# Altium PCB DMP_SEM_MAIN_PCB.PcbDoc (part 2 of 2)
Units mm, origin at the board's own origin, x right, y up, seen from the top; angles counter-clockwise.
Board outline 64.64 x 54.99 mm, 4 copper layers (Top Layer, Layer 1, Layer 2, Bottom Layer), stack 1.544 mm thick; 97 components, 88 nets, 389 pads, 130 vias.
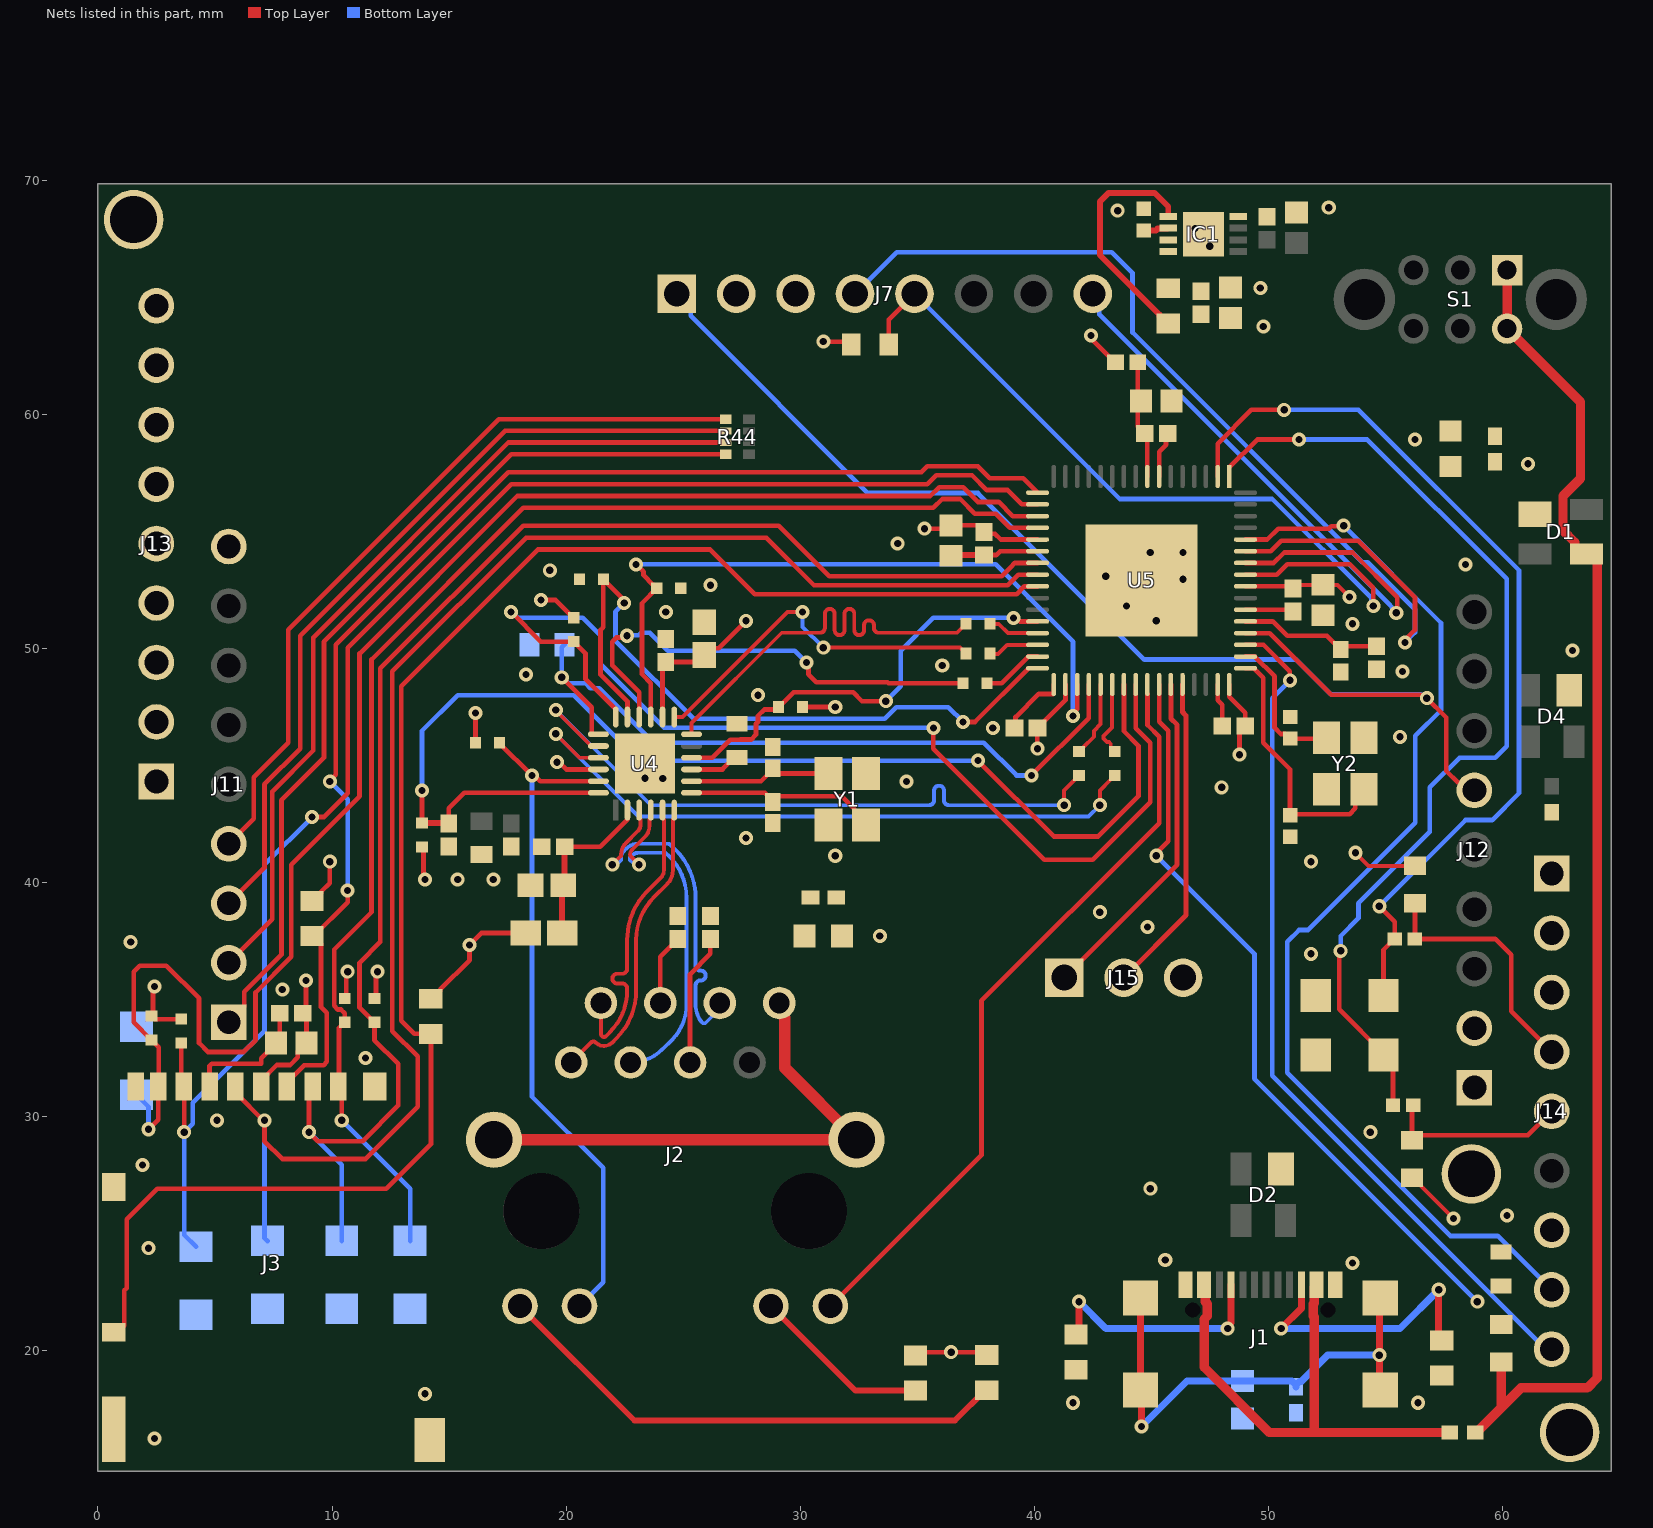
[diagram p4: the nets of this part, all layers, seen from the top]

## Via types
v1: diameter 0.6, hole 0.31, Top Layer to Bottom Layer, 118 vias
v2: diameter 0.6, hole 0.3, Top Layer to Bottom Layer, 11 vias
v3: diameter 1, hole 0.5, Top Layer to Bottom Layer, 1 vias

## Nets (pads, with @x,y where several pads share a name; then routed paths per layer and width w, separated by ;. In a path a pad name is that pad's centre, name@x,y a point inside that pad or via, vN(x,y) a via of type N, cw(c..) or ccw(c..) an arc to the next point about the centre after c; other vN are vias at no path point) (continued)
ETH_GMDIO: R31.2 U4.10 U5.28 | length 19
  Top Layer w0.2: U4.10@25.357,45.335 26.243,45.335 27.009,46.101 27.432,46.101 27.441,46.11 27.902,46.11 28.109,46.317 28.109,46.778 28.194,46.863 28.194,47.117 28.475,47.398 28.979,47.398 R31.2@29.079,47.498 29.079,47.51 29.216,47.648 29.229,47.648 29.714,48.133 32.258,48.133 32.639,47.752 v1(33.655,47.752) ; v1(39.116,51.308) 39.224,51.308 39.375,51.157 U5.28@40.14,51.157
  Bottom Layer w0.2: v1(33.655,47.752) 34.29,48.387 34.29,49.911 35.687,51.308 v1(39.116,51.308)
ETH_GRXDV: R28.2 U4.15 U5.35 | length 32
  Top Layer w0.2: v2(22.987,53.594) 23.309,53.272 23.309,53.129 23.71,52.728 23.734,52.728 23.872,52.59 R28.2@23.872,52.578 23.872,52.566 23.241,51.935 23.241,48.895 23.618,48.518 U4.15@23.618,47.074 ; v1(41.656,47.117) 41.656,47.225 41.831,47.4 U5.35@41.831,48.466
  Bottom Layer w0.2: v2(22.987,53.594) 38.354,53.594 41.656,50.292 v1(41.656,47.117)
ETH_INT: R29.2 U4.18 U5.40 | length 46.4
  Top Layer w0.2: v2(17.653,51.562) 18.923,50.292 R29.2@20.32,50.292 20.828,49.784 20.828,48.689 22.118,47.399 U4.18@22.118,47.074 ; v2(35.687,46.609) 35.687,45.72 40.433,40.974 42.498,40.974 44.958,43.434 44.958,45.974 44.331,46.601 U5.40@44.331,48.466
  Bottom Layer w0.2: v2(17.653,51.562) 17.687,51.562 17.941,51.308 20.701,51.308 21.471,50.538 21.471,49.322 24.184,46.609 v2(35.687,46.609)
ETH_LED: J2.12 U5.41 | length 32.2
  Top Layer w0.2: J2.12@31.29,21.906 37.742,28.359 37.742,34.948 45.339,42.545 45.339,46.228 44.835,46.732 U5.41@44.835,48.072
ETH_RESET: C32.1 R27.1 U4.24 U5.39 | length 51.9
  Top Layer w0.2: R27.1@13.843,42.549 v2(13.843,43.942) ; C32.1@14.986,42.527 14.986,43.18 15.641,43.835 U4.24@21.379,43.835 ; v2(37.592,45.212) 40.832,41.972 42.734,41.972 44.45,43.688 44.45,45.847 43.831,46.466 U5.39@43.831,48.466
  Top Layer w0.254: R27.1@13.843,42.549 13.854,42.538 C32.1@14.975,42.538
  Bottom Layer w0.2: v2(13.843,43.942) 13.843,46.482 15.367,48.006 20.32,48.006 23.114,45.212 v2(37.592,45.212)
ETH_RX0: R26.2 U5.30 | length 2.2
  Top Layer w0.165: R26.2@38.105,49.784 38.126,49.763 38.447,49.763 38.841,50.157 U5.30@40.14,50.157
ETH_RX1: R25.2 U5.29 | length 2.2
  Top Layer w0.165: R25.2@38.105,51.054 38.481,51.054 38.878,50.657 U5.29@40.14,50.657
ETH_RXER: R20.1 U4.17 U5.32 | length 30
  Top Layer w0.2: R20.1@21.59,52.963 R20.1@21.59,52.951 ; v1(22.479,51.943) 22.402,52.02 22.402,52.138 R20.1@21.59,52.951 ; U4.17@22.618,47.074 22.618,47.74 21.471,48.887 21.471,50.79 21.59,50.909 R20.1@21.59,52.951 ; v1(36.957,46.863) 36.959,46.865 37.467,46.865 39.746,49.144 U5.32@39.746,49.153
  Bottom Layer w0.2: v1(22.479,51.943) 22.106,51.57 22.106,50.339 25.447,46.998 33.608,46.998 34.1,47.49 36.33,47.49 v1(36.957,46.863)
ETH_TX0: R24.2 U5.37 | length 3.3
  Top Layer w0.165: R24.2@41.91,45.598 41.922,45.598 42.077,45.752 42.077,45.765 42.545,46.233 42.545,46.482 42.831,46.768 U5.37@42.831,48.466
ETH_TX1: R23.2 U5.38 | length 3.3
  Top Layer w0.165: U5.38@43.331,48.466 43.326,48.461 43.326,48.043 43.318,48.036 43.318,46.621 42.959,46.262 42.959,46.152 43.101,46.01 43.189,46.01 43.267,45.932 43.267,45.752 43.422,45.598 R23.2@43.434,45.598
ETH_TXCK: R32.1 U5.31 | length 2.6
  Top Layer w0.2: R32.1@37.978,48.514 38.606,48.514 39.749,49.657 U5.31@40.14,49.657
ETH_TXEN: R22.1 U4.19 U5.36 | length 31.4
  Top Layer w0.2: v1(19.812,48.768) 21.089,47.491 21.089,46.355 21.108,46.335 U4.19@21.379,46.335 ; v2(39.878,44.577) 42.331,47.03 U5.36@42.331,48.466
  Bottom Layer w0.2: R22.1@19.927,50.169 19.812,50.054 v1(19.812,48.768) 19.846,48.768 20.1,48.514 20.828,48.514 21.036,48.306 21.417,48.306 23.749,45.974 37.846,45.974 39.243,44.577 v2(39.878,44.577)
EVENT: J14.9 U5.51 | length 36.7
  Top Layer w0.2: U5.51@49.022,50.157 49.792,50.157 50.914,49.035 50.914,48.654 v1(50.927,48.641)
  Bottom Layer w0.2: v1(50.927,48.641) 50.165,47.879 50.165,31.75 61.849,20.066 J14.9@62.103,20.066
GND: C1.2 C2.2 C3.2 C8.2 C9.2 C10.2 C11.2 C12.2 C13.2 C14.1 C15.1 C16.1 C17.1 C18.2 C19.2 C24.2 C25.2 C26.2 C27.1 C28.2 C29.1 C30.1 C31.2 C32.2 C33.1 C34.1 C35.1 C36.2 C37.2 C38.1 C39.2 C40.2 D1.1 D2.1 D4.1 D5.2 D6.2 D7.2 D8.2 D9.2 D10.2 D11.2 IC1.4 IC1.9 J1.A1 J1.A12 J3.6 J3.MP1 J3.MP2 J3.MP3 J3.MP5 J3.MP6 J7.3 J11.9 J12.2 J13.1 J13.2 J13.3 J13.4 J13.5 J13.6 J13.7 J13.8 J13.9 J14.2 J14.3 J15.3 LED3.1 pad.14 R1.2 R2.2 R3.2 R20.2 R21.2 R22.2 R28.1 R41.2 R42.2 U4.22 U4.25 U5.7 U5.22 U5.33 U5.47 U5.54 U5.65 Y1.2 Y1.4 Y2.2 Y2.4 | length 21.3
  Top Layer w0.2: J3.6@4.768,31.288 4.768,32.17 4.856,32.258 6.97,32.258 6.97,32.487 7.765,33.282 C35.1@7.765,34.417 ; v1(19.607,45.146) 19.691,45.146 20.003,44.835 U4.22@21.379,44.835 ; C17.1@37.846,53.993 38.372,53.993 38.536,54.157 U5.22@40.14,54.157 ; C14.1@39.152,46.609 39.198,46.655 39.198,47.072 40.187,48.061 40.814,48.061 40.831,48.078 U5.33@40.831,48.466 ; U5.7@45.331,57.348 45.331,58.412 45.629,58.71 45.629,59.109 C11.2@45.702,59.182 C11.2@45.862,59.342 ; U5.47@47.831,48.466 47.831,47.788 48.028,47.591 C15.1@48.028,46.684 C15.1@47.879,46.535 ; U5.54@49.022,51.657 50.977,51.657 C16.1@51.054,51.58 C16.1@51.214,51.42 ; C9.2@52.324,51.42 C9.2@52.466,51.562 ; C12.2@54.499,48.999 C12.2@54.614,49.115 C12.2@54.648,49.149
  Top Layer w0.254: v1@13.97,18.067 v1(13.97,18.161) ; C8.2@36.449,53.96 36.482,53.993 C17.1@37.846,53.993
  other v1: 2.413,16.256 41.656,17.78 56.388,17.78 53.594,23.749 45.593,23.876 2.159,24.384 60.198,25.781 44.958,26.924 1.905,27.94 54.356,29.337 5.08,29.845 11.43,32.512 7.874,35.433 51.816,36.957 1.397,37.465 33.401,37.719 44.831,38.1 42.799,38.735 15.367,40.132 16.891,40.132 51.816,40.894 31.496,41.148 27.686,41.91 48.006,44.069 34.544,44.323 23.374,44.456 24.13,44.45 55.626,46.228 38.227,46.609 28.194,48.006 18.288,48.895 55.734,49.022 36.068,49.276 62.992,49.911 53.594,51.054 45.212,51.181 24.257,51.562 43.942,51.816 26.162,52.705 46.355,52.959 43.053,53.086 19.304,53.34 44.958,54.102 46.355,54.102 34.163,54.483 56.261,58.928 49.784,63.754 47.498,67.183 46.863,67.945 43.561,68.707 52.578,68.834
MCU_RST: J7.1 J12.6 U5.52 | length 53.3
  Top Layer w0.2: U5.52@49.022,50.657 50.054,50.657 52.679,48.032 56.508,48.032 56.661,47.879 v1(56.769,47.879) 57.594,47.053 57.594,44.767 58.08,44.282 58.103,44.282 58.443,43.942 J12.6@58.801,43.942
  Bottom Layer w0.2: J7.1@24.721,65.151 25.321,64.551 25.321,64.214 32.893,56.642 37.592,56.642 44.704,49.53 51.181,49.53 52.671,48.04 56.5,48.04 56.661,47.879 v1(56.769,47.879)
NetC1_1: C1.1 J1.MP1 J1.MP2 J1.MP3 J1.MP4 R1.1 | length 21.1
  Top Layer w0.3: J1.MP1@44.537,22.246 J1.MP3@44.537,18.316 44.577,18.276 v1(44.577,16.764) ; J1.MP4@54.777,18.316 54.737,18.356 v1(54.737,19.812) 54.737,22.206 J1.MP2@54.777,22.246
  Bottom Layer w0.3: v1(44.577,16.764) 46.52,18.707 C1.1@48.895,18.707 51.006,18.707 R1.1@51.181,18.532 ; R1.1@51.181,18.457 R1.1@51.181,18.532 ; v1(54.737,19.812) 52.536,19.812 51.406,18.682 51.331,18.682 R1.1@51.181,18.532
NetC12_1: C12.1 C13.1 U5.53 | length 6.1
  Top Layer w0.2: U5.53@49.022,51.157 50.189,51.157 50.8,50.546 52.501,50.546 C13.1@53.09,49.957 53.229,50.095 C12.1@54.614,50.095
NetC18_1: C18.1 U5.49 Y2.1 | length 11.2
  Top Layer w0.2: U5.49@49.022,49.157 49.026,49.153 49.416,49.153 49.416,49.12 49.784,48.752 49.784,45.974 50.927,44.831 C18.1@50.927,42.878 50.975,42.926 53.467,42.926 53.714,43.173 53.714,43.617 Y2.1@54.082,43.985
NetC19_1: C19.1 U5.50 Y2.3 | length 6.2
  Top Layer w0.2: U5.50@49.022,49.657 49.413,49.657 50.263,48.807 50.263,46.622 50.536,46.349 50.727,46.349 C19.1@50.927,46.149 52.445,46.149 Y2.3@52.481,46.185
NetC28_1: C28.1 C29.2 FB3.1 U4.2 | length 7.3
  Top Layer w0.2: C29.2@19.939,41.529 21.463,41.529 22.61,42.676 22.61,43.088 U4.2@22.618,43.096
  Top Layer w0.254: FB3.1@19.826,37.846 19.826,39.827 C28.1@19.878,39.878 19.939,39.939 C29.2@19.939,41.529
NetC33_2: C33.2 U4.8 Y1.3 | length 6.2
  Top Layer w0.2: U4.8@25.357,44.335 28.325,44.335 28.829,44.839 C33.2@28.829,44.885 29.053,44.661 Y1.3@31.204,44.661
NetC34_2: C34.2 U4.7 Y1.1 | length 8.4
  Top Layer w0.2: U4.7@25.357,43.835 28.493,43.835 28.829,43.499 C34.2@28.829,43.452 29.065,43.688 31.778,43.688 32.304,43.162 32.304,42.961 Y1.1@32.804,42.461
NetC40_1: C40.1 IC1.6 | length 1.1
  Top Layer w0.254: C40.1@44.667,67.867 45.204,67.867 45.271,67.935 45.699,67.935 IC1.6@45.722,67.958
NetF1_1: F1.1 J1.A4 J1.A9 | length 21.7
  Top Layer w0.4: J1.A4@47.257,22.821 47.304,22.774 47.304,22.092 47.392,22.005 47.392,21.487 47.257,21.352 47.257,19.291 50.038,16.51 51.957,16.51 ; J1.A9@52.057,22.821 51.957,22.721 51.957,22.04 51.922,22.005 51.922,21.487 51.957,21.452 51.957,16.51 ; F1.1@57.743,16.51 51.957,16.51
NetF2_1: F2.1 J14.1
NetFB5_1: FB5.1 J14.5 R39.1 | length 8
  Top Layer w0.2: FB5.1@56.182,30.48 56.134,30.432 R39.1@56.134,28.994 56.35,29.21 61.087,29.21 J14.5@62.103,30.226
NetFB6_1: FB6.1 J14.4 R40.1 | length 10.8
  Top Layer w0.2: R40.1@56.261,39.116 FB6.1@56.261,37.592 59.69,37.592 60.371,36.911 60.371,34.498 J14.4@62.103,32.766
NetIC1_5: IC1.5 R45.1 | length 10.2
  Top Layer w0.254: R45.1@45.72,63.893 45.645,63.893 45.347,64.191 45.347,64.266 42.799,66.814 42.799,69.088 43.179,69.468 45.134,69.468 45.722,68.881 IC1.5@45.722,68.458
NetJ1_A5: J1.A5 R3.1 | length 10.2
  Top Layer w0.3: R3.1@41.783,20.689 41.91,20.816 v1(41.91,22.098) ; v1(48.26,20.955) 48.26,21.036 48.407,21.183 J1.A5@48.407,22.821
  Bottom Layer w0.3: v1(41.91,22.098) 43.053,20.955 v1(48.26,20.955)
NetJ1_B5: J1.B5 R2.1 | length 11.9
  Top Layer w0.3: v1(50.546,20.955) 51.407,21.816 J1.B5@51.407,22.821 ; v1(57.277,22.606) 57.277,20.562 R2.1@57.404,20.435
  Bottom Layer w0.3: v1(50.546,20.955) 55.626,20.955 v1(57.277,22.606)
NetJ2_9: J2.9 R18.1 | length 22.5
  Top Layer w0.254: J2.9@18.03,21.906 22.918,17.018 36.604,17.018 37.898,18.312 R18.1@37.973,18.312
NetJ2_11: J2.11 R19.1 | length 7.7
  Top Layer w0.254: J2.11@28.75,21.906 32.356,18.3 R19.1@34.925,18.3
NetJ11_1: J11.1 R44.4 | length 38.4
  Top Layer w0.2: J11.1@5.588,34.036 6.25,34.698 6.25,35.333 7.837,36.92 7.837,43.524 9.652,45.339 9.652,50.292 17.661,58.301 R44.4@26.813,58.301
NetJ11_2: J11.2 R44.3 | length 36.5
  Top Layer w0.2: J11.2@5.588,36.576 7.441,38.429 7.441,43.89 9.194,45.643 9.194,50.469 17.526,58.801 R44.3@26.813,58.801
NetJ11_3: J11.3 R44.2 | length 34.5
  Top Layer w0.2: J11.3@5.588,39.116 7.112,40.64 7.112,44.196 8.636,45.72 8.636,50.546 17.391,59.301 R44.2@26.813,59.301
NetJ11_4: J11.4 R44.1 | length 32.6
  Top Layer w0.2: J11.4@5.588,41.656 6.655,42.723 6.655,44.501 8.128,45.974 8.128,50.8 17.129,59.801 R44.1@26.813,59.801
NetLED3_2: LED3.2 R8.1
NetR21_1: R21.1 U4.9 | length 2.2
  Top Layer w0.2: U4.9@25.357,44.835 26.676,44.835 27.18,45.339 R21.1@27.305,45.339
NetR23_1: R23.1 U4.21 | length 28.7
  Top Layer w0.165: v1(19.558,46.355) 20.578,45.335 U4.21@21.379,45.335 ; v1(42.799,43.307) 42.799,43.937 43.267,44.405 43.267,44.418 43.422,44.572 R23.1@43.434,44.572
  Bottom Layer w0.165: v1(19.558,46.355) 23.089,42.824 42.316,42.824 v1(42.799,43.307)
NetR24_1: R24.1 U4.20 | length 28.7
  Top Layer w0.165: v1(19.558,47.371) 19.558,47.351 21.074,45.835 U4.20@21.379,45.835 ; v1(41.275,43.307) 41.275,43.937 41.743,44.405 41.743,44.418 41.898,44.572 R24.1@41.91,44.572
  Bottom Layer w0.165: v1(19.558,47.371) 23.622,43.307 35.428,43.307 35.51,43.307 ccw(c35.51,43.516) 35.72,43.516 35.72,43.931 cw(c35.929,43.931) 35.929,44.14 cw(c35.929,43.931) 36.139,43.931 36.139,43.516 ccw(c36.348,43.516) 36.348,43.307 39.502,43.307 v1(41.275,43.307)
NetR25_1: R25.1 U4.12 | length 18.5
  Top Layer w0.165: U4.12@25.357,46.335 25.357,46.82 29.21,50.673 30.76,50.673 30.842,50.673 ccw(c30.842,50.882) 31.052,50.882 31.052,51.485 cw(c31.261,51.485) 31.261,51.694 cw(c31.261,51.485) 31.471,51.485 31.471,50.78 ccw(c31.68,50.78) 31.68,50.57 ccw(c31.68,50.78) 31.89,50.78 31.89,51.485 cw(c32.099,51.485) 32.099,51.694 cw(c32.099,51.485) 32.309,51.485 32.309,50.78 ccw(c32.518,50.78) 32.518,50.57 ccw(c32.518,50.78) 32.728,50.78 32.728,50.998 cw(c32.937,50.998) 32.937,51.207 cw(c32.938,50.998) 33.147,50.998 33.147,50.882 ccw(c33.356,50.882) 33.356,50.673 35.805,50.673 36.698,50.673 36.912,50.887 36.925,50.887 37.079,51.042 R25.1@37.079,51.054
NetR26_1: R26.1 U4.13 | length 15.4
  Top Layer w0.165: U4.13@24.618,47.074 24.976,47.074 29.464,51.562 v1(30.099,51.562) ; v1(30.988,50.038) 36.825,50.038 36.912,49.951 36.925,49.951 37.079,49.796 R26.1@37.079,49.784
  Bottom Layer w0.165: v1(30.099,51.562) 30.099,50.927 v1(30.988,50.038)
NetR32_2: R32.2 U4.16 | length 20
  Top Layer w0.2: v2(22.606,50.546) 22.529,50.469 22.148,50.469 21.971,50.292 21.971,49.276 23.118,48.129 U4.16@23.118,47.074 ; v2(30.273,49.395) 30.35,49.318 30.35,48.898 30.688,48.56 33.728,48.56 33.774,48.514 R32.2@36.952,48.514
  Bottom Layer w0.2: v2(22.606,50.546) 22.628,50.568 23.106,50.568 23.211,50.673 23.58,50.673 24.342,49.911 29.757,49.911 v2(30.273,49.395)
PHY_LED0: J2.10 R30.2 U4.23 | length 29.3
  Top Layer w0.2: R30.2@17.145,45.974 17.145,45.962 18.53,44.577 v1(18.542,44.577) 18.65,44.577 18.892,44.335 U4.23@21.379,44.335
  Bottom Layer w0.2: v1(18.542,44.577) 18.542,30.861 21.59,27.813 21.59,22.927 J2.10@20.57,21.906
PW_SCL: D5.1 FB6.2 U5.2 | length 39.5
  Top Layer w0.2: U5.2@47.831,57.348 47.831,58.753 49.276,60.198 v1(50.673,60.198) ; v1(54.737,38.989) 55.404,38.322 FB6.2@55.404,37.592 55.382,37.592 54.917,37.127 D5.1@54.917,35.179
  Bottom Layer w0.2: v1(50.673,60.198) 53.848,60.198 60.706,53.34 60.706,43.815 59.563,42.672 58.42,42.672 v1(54.737,38.989)
PW_SDA: D6.1 FB5.2 U5.1 | length 42.1
  Top Layer w0.2: U5.1@48.335,57.742 49.52,58.928 v1(51.308,58.928) ; v1(53.086,37.084) 53.021,37.019 53.021,34.585 54.917,32.689 D6.1@54.917,32.639 55.324,32.232 FB5.2@55.324,30.48
  Bottom Layer w0.2: v1(51.308,58.928) 54.229,58.928 60.176,52.981 60.176,45.825 59.69,45.339 58.166,45.339 56.896,44.069 56.896,42.164 53.848,39.116 53.848,38.481 53.086,37.719 v1(53.086,37.084)
RCT: C24.1 J2.5 | length 5.6
  Top Layer w0.2: J2.5@25.295,32.316 25.295,36.09 26.162,36.957 C24.1@26.162,37.592
RJ45_GND: C37.1 J2.8 J2.13 J2.16 R41.1 | length 22.7
  Top Layer w0.4: J2.16@32.241,29.016 J2.16@32.405,29.016
  Top Layer w0.5: J2.13@16.915,29.016 J2.16@32.241,29.016 ; J2.8@29.105,34.856 29.275,34.686 29.275,34.298 29.337,34.236 29.337,32.084 J2.16@32.405,29.016
RX_N: J2.6 U4.3 | length 15.5
  Top Layer w0.165: v1(21.971,40.767) 22.312,41.108 ccw(c22.221,41.199) 22.35,41.199 cw(c23.039,41.201) 22.552,41.688 23.062,42.198 ccw(c22.786,42.473) 23.175,42.473 23.176,42.692 23.118,42.75 U4.3@23.118,43.096
  Bottom Layer w0.165: v1(21.971,40.767) 22.054,40.85 22.24,40.85 22.35,40.961 22.35,41.095 cw(c22.675,41.095) 22.445,41.325 22.567,41.446 cw(c23.082,40.93) 23.082,41.66 24.316,41.66 cw(c24.316,41.419) 24.487,41.589 24.675,41.402 cw(c22.609,39.336) 25.457,39.988 cw(c22.609,39.336) 25.53,39.336 25.53,36.636 25.53,36.554 25.53,36.449 ccw(c25.739,36.449) 25.739,36.239 25.752,36.239 cw(c25.752,36.03) 25.961,36.03 cw(c25.752,36.03) 25.752,35.82 25.739,35.82 ccw(c25.739,35.611) 25.53,35.611 25.53,35.109 25.53,34.984 ccw(c25.662,34.985) 25.53,34.976 cw(c25.146,34.948) 25.531,34.948 25.531,34.798 cw(c25.399,34.798) 25.531,34.796 25.53,34.717 ccw(c26.753,34.798) 25.53,34.71 ccw(c26.753,34.798) 25.791,34.038 25.796,34.033 25.835,33.994 25.89,33.994 25.945,33.994 25.984,34.033 ; 25.984,34.033 26.565,34.624 J2.6@26.565,34.856
RX_P: J2.3 U4.4 | length 15.5
  Top Layer w0.165: v1(23.114,40.767) 22.773,41.108 cw(c22.864,41.199) 22.735,41.199 cw(c23.042,41.199) 22.825,41.416 23.369,41.961 ccw(c22.908,42.422) 23.561,42.422 23.561,42.692 23.618,42.75 U4.4@23.618,43.096
  Bottom Layer w0.165: J2.3@22.755,32.316 ccw(c22.755,34.245) 24.118,32.881 24.517,33.28 ccw(c23,34.798) 25.146,34.798 25.146,34.948 25.145,34.949 25.145,37.065 25.145,39.335 ccw(c22.605,39.335) 25.01,40.151 ccw(c22.605,39.335) 24.401,41.131 24.257,41.275 23.084,41.275 ccw(c23.084,40.926) 22.837,41.173 22.738,41.074 ccw(c22.746,41.066) 22.735,41.066 22.735,40.961 22.845,40.85 23.031,40.85 v1(23.114,40.767)
SD_CD: J3.MP4 R33.1 U5.25 | length 70.5
  Top Layer w0.2: J3.MP4@0.7,20.749 0.8,20.749 1.125,21.074 1.125,22.577 1.225,22.677 1.225,25.622 2.527,26.924 12.319,26.924 14.224,28.829 R33.1@14.224,33.54 13.514,33.54 12.954,34.1 12.954,48.387 18.796,54.229 26.162,54.229 28.067,52.324 39.243,52.324 39.572,52.653 40.136,52.653 U5.25@40.14,52.657
SD_CLK: D11.1 J3.5 U5.24 | length 65.8
  Top Layer w0.2: J3.5@5.9,31.249 5.9,30.999 v1@7.083,29.816 ; v1(7.112,29.845) 7.112,28.956 7.874,28.194 11.43,28.194 13.654,30.418 13.654,32.574 12.573,33.655 12.573,49.022 18.288,54.737 28.556,54.737 30.588,52.705 38.862,52.705 39.31,53.153 40.136,53.153 U5.24@40.14,53.157
  Bottom Layer w0.2: v1(7.112,29.845) 7.112,24.818 D11.1@7.239,24.691
SD_CMD: J3.3 R34.1 U5.17 | length 54.8
  Top Layer w0.2: J3.3@8.1,31.499 8.804,32.203 9.636,32.203 9.779,32.346 9.779,34.435 9.525,34.689 9.525,37.394 9.2,37.719 R34.1@9.144,37.719 ; R34.1@9.219,37.719 10.668,39.168 v2(10.668,39.668) ; v1(9.906,44.323) 9.906,44.357 10.16,44.611 10.16,50.165 17.526,57.531 35.179,57.531 35.433,57.785 37.592,57.785 38.1,57.277 39.52,57.277 U5.17@40.14,56.657
  Bottom Layer w0.2: v1(9.906,44.323) 10.668,43.561 v2(10.668,39.668)
SD_DATA0: D7.1 J3.7 R35.1 U5.18 | length 65.9
  Top Layer w0.2: R35.1@3.556,33.143 3.556,31.333 3.683,31.206 v1(3.683,29.337) ; v1(9.144,42.799) 9.652,42.799 10.668,43.815 10.668,50.038 17.653,57.023 35.433,57.023 35.814,57.404 37.338,57.404 37.973,56.769 38.862,56.769 39.47,56.161 40.136,56.161 U5.18@40.14,56.157
  Bottom Layer w0.2: D7.1@4.191,24.437 3.683,24.945 v1(3.683,29.337) 4.046,29.7 4.046,30.589 7.112,33.655 7.112,40.767 v1(9.144,42.799)
SD_DATA1: D8.1 J3.8 R36.1 U5.19 | length 67.6
  Top Layer w0.2: v1(2.159,29.464) 2.568,29.873 J3.8@2.568,31.288 ; J3.8@2.6,31.288 2.6,32.968 2.298,33.27 R36.1@2.286,33.27 1.524,34.032 1.524,36.195 1.778,36.449 2.921,36.449 4.318,35.052 4.318,33.147 4.699,32.766 6.223,32.766 6.731,33.274 6.731,35.306 8.255,36.83 8.255,40.767 11.176,43.688 11.176,49.784 17.907,56.515 35.56,56.515 35.941,56.896 36.957,56.896 37.592,56.261 38.481,56.261 39.085,55.657 U5.19@39.746,55.657
  Bottom Layer w0.2: D8.1@1.651,30.935 2.159,30.427 v1(2.159,29.464)
SD_DATA2: D10.1 J3.1 R37.1 U5.20 | length 58.5
  Top Layer w0.2: v1(10.414,29.845) 10.414,31.135 10.3,31.249 10.3,33.804 10.529,34.032 R37.1@10.541,34.032 10.541,34.417 10.382,34.576 10.25,34.576 10.091,34.736 10.091,37.142 11.684,38.735 11.684,49.53 18.161,56.007 35.687,56.007 36.068,56.388 36.83,56.388 37.461,55.757 38.35,55.757 38.95,55.157 U5.20@39.746,55.157
  Bottom Layer w0.2: v1(10.414,29.845) 13.335,26.924 D10.1@13.335,24.691
SD_DATA3: D9.1 J3.2 R38.1 U5.23 | length 63.2
  Top Layer w0.2: J3.2@9.144,31.193 9.017,31.066 v1(9.017,29.337) 9.398,28.956 11.303,28.956 12.827,30.48 12.827,32.258 11.811,33.274 R38.1@11.811,34.032 11.799,34.032 11.176,34.655 11.176,36.576 12.065,37.465 12.065,49.149 18.161,55.245 29.083,55.245 31.242,53.086 38.608,53.086 39.081,53.559 39.081,53.569 39.168,53.657 U5.23@40.14,53.657
  Bottom Layer w0.2: v1(9.017,29.337) 10.414,27.94 D9.1@10.414,24.691
SWCLK: J7.5 R15.1 U5.57 | length 34.7
  Top Layer w0.2: R15.1@33.782,62.992 33.782,64.052 J7.5@34.881,65.151 ; U5.57@49.022,53.157 50.363,53.157 50.8,53.594 53.486,53.594 54.483,52.597 v1(54.483,51.816)
  Bottom Layer w0.2: J7.5@34.881,65.151 43.644,56.388 50.165,56.388 54.406,52.147 54.406,51.893 v1(54.483,51.816)
SWDIO: J7.8 U5.58 | length 27.1
  Top Layer w0.2: U5.58@49.022,53.657 50.228,53.657 50.673,54.102 53.594,54.102 55.499,52.197 55.499,51.562 v1(55.463,51.526)
  Bottom Layer w0.2: J7.8@42.501,65.151 42.778,64.874 42.778,64.272 55.205,51.846 v1(55.463,51.526)
SWO: J7.4 U5.59 | length 44.6
  Top Layer w0.2: U5.59@49.022,54.157 50.093,54.157 50.546,54.61 53.848,54.61 56.261,52.197 56.261,50.792 55.839,50.37 v1(55.839,50.262)
  Bottom Layer w0.2: J7.4@32.341,65.151 34.119,66.929 43.307,66.929 44.196,66.04 44.196,63.5 54.013,53.683 54.251,53.683 56.261,51.673 56.261,50.684 v1(55.839,50.262)
TCT: C25.1 J2.4 | length 3
  Top Layer w0.2: J2.4@24.025,34.856 24.025,36.832 24.765,37.572 C25.1@24.765,37.592
TX_N: J2.2 U4.5 | length 13
  Top Layer w0.165: J2.2@21.485,34.856 21.485,33.542 ccw(c21.617,33.542) 21.523,33.448 ccw(c21.617,33.542) 21.617,33.409 ccw(c21.617,33.542) 21.711,33.448 21.862,33.599 ccw(c20.066,35.395) 22.606,35.395 22.606,35.478 ccw(c22.396,35.478) 22.396,35.687 22.185,35.687 cw(c22.185,35.897) 21.975,35.897 cw(c22.185,35.897) 22.185,36.106 22.396,36.106 ccw(c22.396,36.316) 22.606,36.316 22.606,37.561 22.665,38.144 cw(c25.528,37.561) 22.683,38.227 cw(c25.528,37.561) 23.462,39.627 24.045,40.211 ccw(c23.73,40.525) 24.175,40.525 24.176,42.692 24.118,42.75 U4.5@24.118,43.096
TX_P: J2.1 U4.6 | length 13
  Top Layer w0.165: J2.1@20.215,32.316 21.069,33.171 cw(c21.162,33.077) 21.162,33.209 cw(c21.162,33.077) 21.256,33.171 ccw(c21.61,33.524) 21.61,33.024 21.618,33.024 ccw(c21.618,33.54) 21.982,33.175 22.135,33.328 ccw(c20.069,35.394) 22.991,35.394 22.991,37.56 cw(c25.531,37.56) 23.735,39.356 24.318,39.939 ccw(c23.732,40.525) 24.56,40.525 24.561,42.692 24.618,42.75 U4.6@24.618,43.096
USB_UART_RX: J15.2 U5.44 | length 13.7
  Top Layer w0.208: J15.2@43.815,35.941 46.482,38.608 46.482,47.136 46.331,47.287 U5.44@46.331,48.466
USB_UART_TX: J15.1 U5.43 | length 14.6
  Top Layer w0.208: J15.1@41.275,35.941 46.101,40.767 46.101,46.736 45.839,46.998 45.839,48.458 U5.43@45.831,48.466
USB_VBUS_SENSE: R42.1 R43.2 U5.42 | length 32.4
  Top Layer w0.2: v1(45.212,41.148) 45.212,41.256 45.72,41.764 45.72,46.482 45.335,46.867 45.335,48.462 U5.42@45.331,48.466
  Bottom Layer w0.2: v1(45.212,41.148) 49.403,36.957 49.403,31.623 v1(58.928,22.098)
VBUS: D1.3 F1.2 R43.1 S1.1 S1.4 | length 57.9
  Top Layer w0.4: F1.2@58.843,16.51 58.888,16.51 60.793,18.415 63.627,18.415 64.05,18.838 64.05,51.435 64.05,53.791 63.8,54.041 D1.3@63.584,54.041 63.334,54.041 63.084,54.291 63.084,54.541 62.584,55.041 62.584,56.515 63.334,57.265 63.334,60.531 S1.4@60.198,63.667 S1.1@60.198,66.167 ; 59.944,17.611 R43.1@59.944,19.52
VCC: C3.1 C8.1 C9.1 C14.2 C15.2 C16.2 C17.2 C26.1 C27.2 C35.2 C36.1 C39.1 FB3.2 FB4.1 IC1.7 IC1.8 J3.4 J7.2 J12.1 J14.7 R8.2 R15.2 R18.2 R19.2 R27.2 R29.1 R30.1 R31.1 R33.2 R34.2 R35.2 R36.2 R37.2 R38.2 R39.2 R40.2 R45.2 U4.14 U5.21 U5.34 U5.48 U5.56 | length 58.5
  Top Layer w0.172: C16.2@51.054,52.56 51.214,52.72 C9.1@52.324,52.72 52.339,52.705 52.959,52.705 v1(53.467,52.197) ; v1(53.721,41.275) 54.28,40.716 R40.2@56.261,40.716 ; R39.2@56.134,27.394 56.209,27.394 56.523,27.08 56.523,27.043 v1(57.912,25.654)
  Top Layer w0.2: v1(2.413,35.56) 2.349,35.496 2.349,34.254 2.436,34.167 R35.2@3.556,34.167 ; J3.4@6.968,31.288 6.968,31.538 7.637,32.207 8.204,32.207 8.54,32.543 8.54,32.782 C36.1@8.905,33.147 8.905,34.257 C35.2@8.745,34.417 8.89,34.562 v1(8.89,35.814) ; R34.2@9.144,39.219 9.219,39.219 9.544,39.544 9.544,39.619 9.906,39.981 v1(9.906,40.894) ; R37.2@10.541,35.056 10.604,35.12 10.604,36.131 v1(10.668,36.195) ; R38.2@11.811,35.056 11.874,35.12 11.874,36.131 v1(11.938,36.195) ; R27.2@13.843,41.525 13.906,41.461 13.906,40.195 v1(13.97,40.132) ; R33.2@14.224,35.04 14.299,35.04 14.624,35.365 14.624,35.44 15.875,36.691 v1(15.875,37.338) 16.383,37.846 FB3.2@18.274,37.846 ; R30.1@16.121,45.974 16.125,45.978 16.125,47.24 v1(16.129,47.244) ; v1(18.923,52.07) 19.554,52.07 20.308,51.316 R29.1@20.32,51.316 ; U4.14@24.118,47.074 24.118,49.282 C27.2@24.257,49.421 25.611,49.421 C26.1@25.908,49.718 26.208,50.018 26.523,50.018 v1(27.686,51.181) ; R31.1@30.103,47.498 v1(31.496,47.498) ; v1(30.988,63.111) 31.882,63.111 R15.2@32.182,62.992 ; R19.2@34.925,19.8 35.064,19.939 v1(36.449,19.939) 37.846,19.939 R18.2@37.973,19.812 R18.2@37.985,19.824 ; v1(35.306,55.118) 36.307,55.118 C8.1@36.449,55.26 37.559,55.26 37.566,55.253 37.586,55.253 37.846,54.993 C17.2@37.846,54.973 ; C17.2@37.899,54.9 38.318,54.9 38.561,54.657 U5.21@40.14,54.657 ; v1(40.132,45.72) C14.2@40.132,46.609 40.152,46.609 41.331,47.788 U5.34@41.331,48.466 ; v1(42.418,63.373) 42.495,63.296 42.495,63.177 43.442,62.23 FB4.1@43.463,62.23 ; U5.48@48.331,48.466 48.331,47.935 49.008,47.258 C15.2@49.008,46.684 48.768,46.444 v1(48.768,45.466) ; U5.56@49.022,52.657 50.957,52.657 C16.2@51.054,52.56
  other v1: 58.42,53.594 61.087,57.888 49.657,65.405
VDDANA: C10.1 C11.1 FB4.2 U5.8 | length 5.1
  Top Layer w0.2: FB4.2@44.421,62.23 44.421,59.483 44.442,59.462 44.442,59.442 44.702,59.182 C11.1@44.722,59.182 44.831,59.073 U5.8@44.831,57.348
ZCD: J14.8 U5.60 | length 47.6
  Top Layer w0.2: U5.60@49.022,54.657 49.958,54.657 50.419,55.118 52.586,55.118 52.685,55.218 53.186,55.218 v1(53.217,55.249)
  Bottom Layer w0.2: v1(53.217,55.249) 57.374,51.091 57.374,47.37 56.28,46.276 56.28,42.564 51.689,37.973 51.308,37.973 50.8,37.465 50.8,31.877 57.772,24.905 59.804,24.905 J14.8@62.103,22.606
pads on no net: D1.2 D1.4 D2.2 D4.2 D4.4 J1.A8 J1.B8 J1.MH1 J1.MH2 J2.7 J2.14 J2.15 J7.6 J7.7 J12.3 J12.4 J14.6 S1.MH1 S1.MH2 U5.3 U5.4 U5.5 U5.6 U5.26 U5.55

## Polygon pours and split planes (outlines as drawn)
GND on Top Layer "GND_L01_P029" (solid, pour order 29): 0,14.859 64.643,14.859 64.643,69.85 0,69.85
RJ45_GND on Top Layer "RJ45_GND_L01_P001" (solid, pour order 1): 28.067,33.782 30.861,33.782 30.861,39.751 29.845,39.751 29.845,38.608 29.464,38.227 29.464,36.83 28.067,36.83
VCC on Top Layer "VCC_L01_P009" (solid, pour order 9): 61.572,58.342 61.595,58.319 61.595,57.507 59.345,57.507 59.342,57.504 59.342,58.342
NetLED3_2 on Top Layer "NETLED3_2_L01_P010" (solid, pour order 10): 59.982,58.707 58.471,58.707 58.339,58.839 57.293,58.839 57.293,59.748 57.288,59.753 58.86,59.753 59.148,59.464 59.982,59.464 59.982,58.716 59.977,58.711
VCC on Top Layer "VCC_L01_P023" (solid, pour order 23): 45.339,67.564 45.339,66.802 45.212,66.675 45.212,64.897 50.292,64.897 50.292,65.913 46.101,65.913 46.101,67.564
5V on Top Layer "5V_L01_P020" (solid, pour order 20): 48.354,68.104 48.349,68.099 48.349,66.803 49.293,66.803 49.576,67.086 49.581,67.082 50.484,67.082 50.712,66.854 50.717,66.858 51.702,66.858 51.702,67.78 51.689,67.793 50.352,67.793 50.297,67.848 49.357,67.848 49.102,68.104
+5 on Top Layer "+5_L01_P008" (solid, pour order 8): 62.486,43.764 62.484,43.767 62.484,44.704 61.723,45.363 61.722,46.736 60.579,46.736 60.579,45.212 61.667,43.764
NetF2_1 on Top Layer "NETF2_1_L01_P007" (solid, pour order 7): 61.214,39.497 62.992,39.497 62.992,43.434 61.214,43.434
USB_VBUS_SENSE on Top Layer "USB_VBUS_SENSE_L01_P002" (solid, pour order 2): 58.293,23.114 60.579,23.114 60.579,20.574 58.293,20.574
1V2 on Top Layer "1V2_L01_P000" (solid, pour order 0): 18.161,42.164 18.161,43.18 15.748,43.18 15.748,42.164
GND on Bottom Layer "GND_L04_P025" (solid, pour order 25): 0,14.859 64.643,14.859 64.643,69.85 0,69.85
VCC on Layer 2 (split plane): 64.133,15.369 0.51,15.369 0.51,26.162 0.51,37.592 0.51,69.34 64.133,69.34
GND on Layer 1 (split plane): 64.133,15.369 0.51,15.369 0.51,26.162 0.51,37.592 0.51,69.34 64.133,69.34

## Other copper
Top Layer:
  pour cut-out: 50.157,59.71 54.333,59.71 55.035,59.009 54.5,59.009 54.402,58.911 54.151,59.162 50.163,59.162
  pour cut-out: 21.082,36.449 21.082,42.545 21.209,42.672 25.273,42.672 25.275,38.947 24.405,38.947 24.405,38.192 25.273,38.194 25.265,36.431 25.275,36.421
  pour cut-out: 35.278,58.167 35.331,58.115 35.331,58.04 34.82,57.53 17.3,57.53 17.3,57.598 17.244,57.654 17.758,58.167
  pour cut-out: 8.616,39.898 8.616,40.617 11.206,43.207 11.254,43.159 11.323,43.159 11.323,39.866 11.298,39.841 10.707,39.841 10.332,40.216 10.267,40.216 10.267,40.471 9.545,40.471 9.545,40.131 9.313,39.898
  pour cut-out: 17.043,59.564 16.99,59.617 16.99,60.071 16.152,60.071 8.001,51.92 8.001,51.101 8.579,51.101
  pour cut-out: 63.635,17.828 63.667,17.86 63.667,17.992 64.513,18.838 64.513,56.766 64.643,56.766 64.643,17.653 63.827,17.653 63.634,17.846
  pour cut-out: 4.972,32.054 5.264,32.054 5.267,32.051 5.267,31.87 4.989,31.87 4.971,31.888
  pour cut-out: 4.572,31.877 4.699,32.004 4.699,32.766 4.031,32.766 3.917,32.651 3.917,32.142 3.926,32.142 4.191,31.877
  pour cut-out: 40.649,48.387 39.335,47.072 38.78,47.072 38.481,47.371 39.91,48.8 40.132,48.8 40.259,48.673 40.259,48.387
  pour cut-out: 42.414,45.623 42.803,46.012 42.877,46.012 42.978,45.911 42.978,42.809 42.502,42.333 40.979,42.333 40.259,43.053 41.287,44.081 41.406,44.081 41.406,45.429 41.6,45.623
  pour cut-out: 47.671,47.667 47.583,47.667 47.498,47.583 47.498,46.99 47.769,46.99 47.824,47.045 47.824,47.515
  pour cut-out: 48.359,47.537 48.232,47.484 48.232,47.039 48.236,47.043 48.373,47.043 48.373,47.297 48.374,47.298 48.432,47.298 48.481,47.415
  pour cut-out: 25.4,43.452 26.307,43.452 26.416,43.561 26.416,41.91 25.146,41.91 25.001,42.055 25.001,43.053
  pour cut-out: 20.611,46.777 20.679,46.777 20.728,46.826 20.728,47.344 20.32,47.752 20.112,47.544 20.112,47.276
  pour cut-out: 54.314,57.257 54.441,57.384 54.441,57.805 50.681,57.805 50.259,57.384 50.259,57.31 50.312,57.257
  pour cut-out: 51.665,59.246 51.665,58.571 51.689,58.547 51.669,58.527 50.708,58.527 50.708,58.601 50.655,58.654 51.21,59.208 51.21,59.246
  pour cut-out: 45.535,58.328 45.539,58.331 47.473,58.331 47.473,57.956 47.476,57.953 47.473,57.951 45.534,57.951
  pour cut-out: 44.801,42.767 44.89,42.767 44.944,42.713 44.944,42.658 42.672,40.386 42.636,40.422 42.636,40.64
  pour cut-out: 42.459,41.611 42.507,41.563 42.507,41.494 42.348,41.335 40.583,41.335 37.337,44.581 37.409,44.653 37.409,44.688 37.452,44.688 37.482,44.658 37.636,44.658 40.682,41.611
  pour cut-out: 14.978,34.361 14.978,34.219 13.47,34.219 13.424,34.173 13.315,34.281 13.315,35.719 13.47,35.719 13.47,34.361
  pour cut-out: 38.719,19.121 38.719,18.979 37.211,18.979 37.211,19.121
  pour cut-out: 35.679,19.121 35.679,18.979 34.171,18.979 34.171,19.121
  pour cut-out: 62.465,58.174 62.678,58.174 62.757,58.095 62.757,56.766 62.465,56.766
  pour cut-out: 62.349,45.316 62.349,46.971 62.057,47.263 61.05,47.263 61.001,47.214 61.001,47.146 61.176,46.971 61.186,46.981 61.769,46.981 61.982,46.768 61.982,45.481 62.016,45.481 62.233,45.264 62.286,45.316
  pour cut-out: 56.99,39.77 56.99,40.062 55.532,40.062 55.532,39.77
  pour cut-out: 53.975,34.168 53.975,34.179 54.021,34.225 54.013,34.233 54.013,36.133 53.786,36.133 53.721,36.068 53.828,35.961 53.828,34.239 53.918,34.149
  pour cut-out: 54.137,34.225 55.821,34.225 55.821,33.593 54.473,33.593 53.937,34.13 54.013,34.206 54.013,34.233
  pour cut-out: 55.773,29.94 55.404,29.94 55.405,29.939 55.405,29.648 55.773,29.648
  pour cut-out: 56.495,29.648 56.495,29.94 56.743,29.94 56.863,29.82 56.863,29.648
  pour cut-out: 56.863,28.34 56.863,28.048 55.405,28.048 55.405,28.34
  pour cut-out: 60.673,18.866 60.407,18.866 60.407,18.698 60.481,18.624 60.788,18.624 60.833,18.669 60.673,18.829
  pour cut-out: 59.215,18.866 59.048,18.866 58.158,19.756 58.158,20.218 58.196,20.218 58.369,20.391 60.762,20.391 60.762,20.263 60.673,20.174 59.215,20.174
  pour cut-out: 29.98,52.802 29.932,52.754 29.932,52.685 28.217,52.685 26.643,54.259 26.643,54.327 26.691,54.376 28.406,54.376
  pour cut-out: 51.418,49.704 51.418,49.629 51.365,49.577 52.428,48.514 52.578,48.514 52.578,49.423 52.606,49.451 52.606,49.704
  pour cut-out: 50.294,51.453 50.694,51.453 50.673,51.432 50.673,50.927 50.65,50.927 50.251,51.326 50.251,51.367
  pour cut-out: 50.546,52.032 50.548,52.034 50.712,52.034 50.712,51.857 50.714,51.855 50.55,51.855
  pour cut-out: 50.546,52.404 49.701,52.404 49.634,52.337 49.634,52.078 49.65,52.062 49.601,52.012 49.601,51.905 49.69,51.816 50.546,51.816
  pour cut-out: 25.328,47.117 25.447,46.998 25.4,46.951 25.4,43.053 21.336,43.053 21.336,47.117
  pour cut-out: 40.132,57.404 49.022,57.404 49.149,57.277 49.022,57.15 49.022,48.387 40.259,48.387 40.132,48.514
  pour cut-out: 6.04,30.501 6.04,29.154 5.986,29.1 7.344,29.1 7.344,29.214 7.357,29.227 6.082,30.501
  pour cut-out: 6.922,30.501 6.922,30.433 6.873,30.384 7.54,29.717 12.595,29.717 13.401,30.523 13.401,32.469 12.326,33.544 12.326,33.623 12.087,33.623 12.064,33.646 12.064,32.967 12.938,32.093 12.938,30.494 12.309,29.865 9.682,29.865 9.682,29.914 9.095,30.501
  pour cut-out: 6.379,53.906 6.403,53.906 6.481,53.828 6.858,54.206 6.858,54.229 6.745,54.229 6.498,54.476 6.379,54.357
  pour cut-out: 6.116,53.487 6.038,53.565 5.919,53.446 5.468,53.446 5.468,52.806 5.548,52.726 6.116,53.294
  pour cut-out: 6.027,50.073 6.478,50.524 6.478,51.284 6.444,51.318 6.289,51.318 5.939,50.968 6.027,50.88
  pour cut-out: 6.038,48.485 5.919,48.366 5.468,48.366 5.468,47.709 6.116,48.356 6.116,48.407
  pour cut-out: 6.027,39.913 6.605,40.491 6.605,41.445 6.495,41.445 6.478,41.462 5.939,40.923 5.939,40.001
  pour cut-out: 6.385,39.555 6.986,40.157 7.061,40.157 7.113,40.104 7.113,38.459 6.385,37.731
  pour cut-out: 10.415,44.05 10.305,44.05 10.121,44.234 9.396,44.234 9.341,44.289 8.127,43.075 8.127,41.162 8.175,41.114 8.244,41.114 9.422,42.292 9.35,42.364 9.35,42.879 10.391,43.92 10.415,43.92
  pour cut-out: 12.943,48.734 18.567,54.357 18.514,54.41 18.514,54.484 18.393,54.484 12.826,48.917 12.826,48.782 12.874,48.734
  pour cut-out: 16.154,60.072 16.101,60.125 16.101,60.199 15.98,60.199 7.746,51.965 7.746,47.176 5.841,45.271 5.841,44.926 6.547,44.22 6.615,44.22 7.956,45.561 7.956,51.875 8.03,51.949
  pour cut-out: 39.967,61.272 39.967,61.213 15.664,61.213 15.588,61.289 15.588,61.338 40.034,61.338
  pour cut-out: 37.747,58.167 39.959,58.167 40.582,57.544 40.582,56.97 40.518,56.906 40.249,56.906 39.699,57.456 39.672,57.456 39.598,57.53 38.205,57.53 37.694,58.04 37.694,58.115
  pour cut-out: 29.365,55.626 29.365,55.426 29.312,55.373 31.186,53.5 33.782,53.5 33.782,55.626
  pour cut-out: 38.872,54.778 36.871,54.778 36.83,54.737 36.83,53.467 38.631,53.467 38.872,53.707
  pour cut-out: 19.177,36.703 19.304,36.576 27.686,36.576 27.813,36.703 27.813,33.655 28.956,33.655 28.956,31.115 19.177,31.115
  pour cut-out: 58.41,57.663 58.403,57.67 58.403,58.438 58.949,58.438 58.949,58.396 58.949,57.659
Bottom Layer:
  pour cut-out: 27.178,36.545 27.178,42.672 21.082,42.672 21.082,36.449
  pour cut-out: 21.959,49.976 21.906,49.923 21.832,49.923 21.832,49.472 24.334,46.97 24.73,46.97 24.799,46.97 24.856,47.078
  pour cut-out: 19.177,36.703 19.304,36.576 27.686,36.576 27.813,36.703 27.813,33.655 28.956,33.655 28.956,31.115 19.177,31.115

## Silkscreen, mask and mechanical layers (free items; w line width, h text height)
Top Overlay:
  drawing of 60 lines, arcs and shapes, not listed
  text "RST" at 23.742,63.112 h0.7
  text "VCC" at 26.409,63.112 h0.7
  text "GND" at 28.822,63.112 h0.7
  text "SWDIO" at 38.347,62.985 h0.7
  text "SWO" at 31.362,61.461 h0.7
  text "SWCLK" at 34.156,61.461 h0.7
  text "TX" at 40.205,33.093 h1.1
  text "GND" at 46.047,33.093 h1.1
  text "RX" at 42.999,32.966 h1.1